# Altium PCB 充电扩展板.PcbDoc
Units mm, origin at the board's own origin, x right, y up, seen from the top; angles counter-clockwise.
Board outline 25 x 26.5 mm, 2 copper layers (Top Layer, Bottom Layer); 21 components, 17 nets, 57 pads, 78 vias.
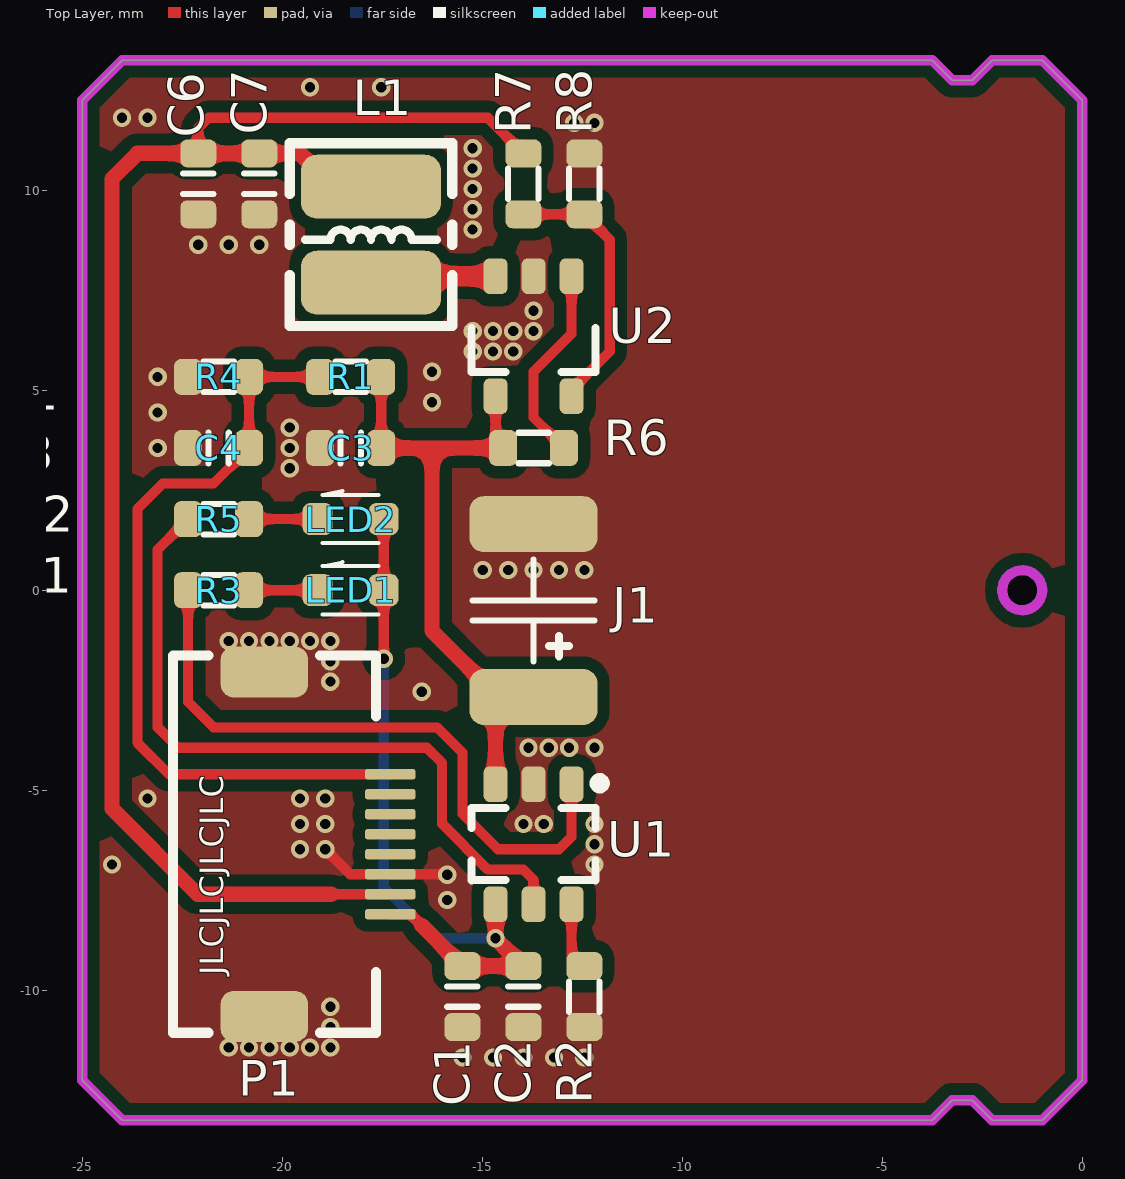
[diagram p0: Top Layer view]
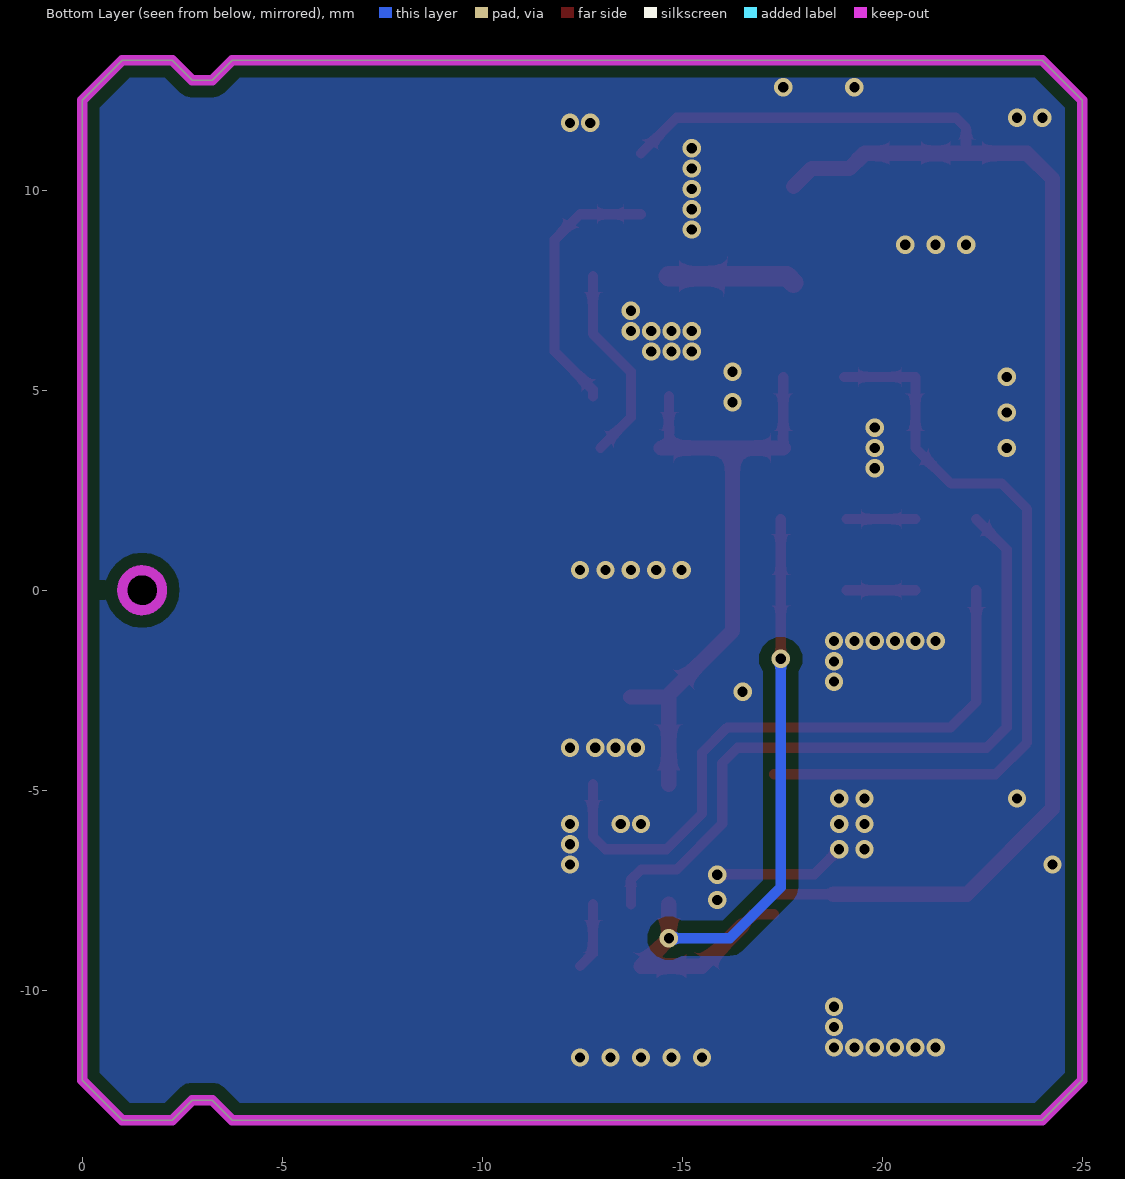
[diagram p1: Bottom Layer view, seen from below]

## Layer stack, top to bottom
Top Solder: solder mask 0.0102, Solder Resist, Dk 3.5
Top Layer: signal copper 0.0356
Dielectric 1: dielectric 0.32, FR-4, Dk 4.8
Bottom Layer: signal copper 0.0356
Bottom Solder: solder mask 0.0102, Solder Resist, Dk 3.5

## Board outline
-24,-13.25 -25,-12.25 -25,12.25 -24,13.25 -3.75,13.25 -3.25,12.75 -2.75,12.75 -2.25,13.25 -1,13.25 0,12.25 0,-12.25 -1,-13.25 -2.25,-13.25 -2.75,-12.75 -3.25,-12.75 -3.75,-13.25
cut-out: -2,0 ccw(c-1.5,0) -1.5,-0.5 ccw(c-1.5,0) -1,0 ccw(c-1.5,0) -1.5,0.5 ccw(c-1.5,0)

## Design rules (kind name [scope] priority, off if disabled: settings)
Clearance poly [InPolygon] p1: gap=0.305 ignorepadtopadclearanceinfootprint=FALSE
Clearance [All] p2: gap=0.203 ignorepadtopadclearanceinfootprint=FALSE
PlaneConnect [All] p1: planeconnectstyle=Direct reliefexpansion=0.508 reliefentries=4 reliefconductorwidth=0.254 reliefairgap=0.254
PolygonConnect [All] p1: connectstyle=Direct reliefconductorwidth=0.254 reliefentries=4 polygonreliefangle="90 Angle" airgapwidth=0.254
RoutingVias [All] p1: holewidth=0.711 width=1.27 viastyle="Through Hole" minholewidth=0.711 minwidth=1.27 maxholewidth=0.711 maxwidth=1.27
SolderMaskExpansion [All] p1: expansion=0.102 istentingtop=FALSE
Width [All] p1: maxlimit=0.762 minlimit=0.203 preferedwidth=0.254
29 further rules are at their usual default settings.

## Components (designator, comment, footprint, x,y, rotation, side; value= is the part's Value field where it differs from the comment)
C1 "10uF" C_0603 -15.494,-10.16 r90 top value=0.1u
C2 "0.1uF" C_0603 -13.97,-10.16 r270 top value=100pF
C3 "0.1uF" C_0603 -18.288,3.556 r180 top value=100pF
C4 "10nF" C_0603 -21.59,3.556 r180 top value=100pF
C6 "10uF" C_0603 -22.098,10.16 r90 top value=0.1u
C7 "0.1uF" C_0603 -20.574,10.16 r270 top value=100pF
J1 "Battery" C_1812 -13.716,-0.508 r90 top
L1 "2.2uH" CD32 -17.78,8.89 r90 top value=10mH
LED1 "RED" "0603/1608 LEDR" -18.288,0 r0 top
LED2 "BLUE" "0603/1608 LEDB" -18.288,1.778 r0 top
P1 "Header 8" FFC_0.5_8 -19.558,-6.35 r270 top
R1 "12K" R_0603 -18.288,5.334 r180 top value=1K
R2 "2K" R_0603 -12.446,-10.16 r270 top value=1K
R3 "1K" R_0603 -21.59,0 r0 top
R4 "3K" R_0603 -21.59,5.334 r180 top value=1K
R5 "1K" R_0603 -21.59,1.778 r0 top
R6 "1K" R_0603 -13.716,3.556 r180 top
R7 "453K" R_0603 -13.97,10.16 r270 top value=1K
R8 "100K" R_0603 -12.446,10.16 r90 top value=1K
U1 "TP4057" SOT23-6-Y -13.716,-6.35 r270 top
U2 "FP6381A" SOT23-5-Y -13.716,6.35 r270 top

## Footprints (in the part's own frame and the unit in brackets; to place one, negate y for a bottom-side part, rotate by r counter-clockwise, add the part's x,y. Pads: shape width x height; smd on the part's side, far side on the other; paste and mask are expansions set on the pad)
"0603/1608 LEDB" [mm]
  rrect50% 0.75x0.8 smd: 1(0.826,0) 2(-0.826,0)
  silkscreen extent -0.7,-0.6 0.7,0.7, body extent -1.21,-0.41 1.21,0.41, height 0.35
"0603/1608 LEDR" [mm]
  rrect50% 0.75x0.8 smd: 1(0.826,0) 2(-0.826,0)
  silkscreen extent -0.7,-0.61 0.7,0.7, body extent -1.21,-0.41 1.21,0.41, height 0.79
C_0603 [mm]
  rrect50% 0.7x0.9 smd: 1(-0.762,0) 2(0.762,0)
  silkscreen extent -0.25,-0.38 0.25,0.38, body extent -0.8,-0.41 0.8,0.41, height 0.81
C_1812 [mm]
  rrect50% 1.4x3.2 smd: 1(-2.159,0) 2(2.159,0)
  silkscreen extent -1.27,-1.52 1.27,1.52
CD32 [mm] "3.5*3*2mm（长宽高）"
  rrect50% 1.6x3.5 smd: 1(-1.2,0) 2(1.2,0)
  silkscreen extent -2.29,-2.03 2.29,2.03, body extent -1.71,-1.5 1.71,1.5, height 2.15
FFC_0.5_8 [mil]
  rrect50% 50x86 smd: 0(-169.5,-35) 0(169.5,-35)
  rrect50% 10x50 smd: 1(-68.9,89) 2(-49.21,89) 3(-29.53,89) 4(-9.84,89) 5(9.84,89) 6(29.53,89) 7(49.21,89) 8(68.9,89)
  silkscreen extent -186,-125 186,75, body extent -187,-124 187,87, height 82
R_0603 [mm]
  rrect50% 0.7x0.9 smd: 1(-0.762,0) 2(0.762,0)
  silkscreen extent -0.38,-0.38 0.38,0.38, body extent -0.8,-0.4 0.8,0.4, height 0.4
SOT23-5-Y [mm] "SOT23, 3-Leads, Body 3.1x3.0mm (max), Pitch 0.95mm, IPC Medium Density"
  rrect50% 0.889x0.6 smd: 1(-1.5,0.95) 2(-1.5,0) 3(-1.5,-0.95) 4(1.5,-0.95) 5(1.5,0.95)
  silkscreen extent -0.2,-1.55 0.9,1.55, body extent -1.4,-1.5 1.4,1.5, height 1.15
SOT23-6-Y [mm] "SOT23, 3-Leads, Body 3.1x3.0mm (max), Pitch 0.95mm, IPC Medium Density"
  rrect50% 0.889x0.6 smd: 1(-1.5,0.95) 2(-1.5,0) 3(-1.5,-0.95) 4(1.5,-0.95) 5(1.5,0) 6(1.5,0.95)
  silkscreen extent -1.65,-1.55 0.9,1.78, body extent -1.4,-1.5 1.4,1.5, height 1.15

## Part data
C1 C6: library part 电容-0402, "Capacitor"
C2 C3 C4 C7: library part Cap, "Capacitor", LatestRevisionDate=17-Jul-2002, LatestRevisionNote="Re-released for DXP Platform.", PackageDescription="Radial Cap, Thru-Hole; 2 Leads; 0.3 in Pin Spacing", PackageReference=RAD-0.3, Published=8-Jun-2000, Publisher="Altium Limited"
J1: library part "Header 2", "Header, 2-Pin", LatestRevisionDate=17-Jul-2002, LatestRevisionNote="Re-released for DXP Platform.", Publisher="Altium Limited"
L1: library part Inductor, "Inductor", Code_IEC=1005, Code_JEITA=0402, LatestRevisionDate=29-May-2009, LatestRevisionNote="IPC-7351 Footprint Added.", PackageDescription="Chip Inductor", PackageReference=0402-A, Published=8-Jun-2000, Publisher="Altium Limited"
LED1 LED2: library part LED0, "Typical INFRARED GaAs LED", LatestRevisionDate=08-Jul-2005, LatestRevisionNote="Mech Layer 1 removed.", PackageDescription="LED; 2 Leads", PackageReference=LED-0, Published=8-Jun-2000, Publisher="Altium Limited"
P1: "Header, 8-Pin", LatestRevisionDate=17-Jul-2002, LatestRevisionNote="Re-released for DXP Platform.", Publisher="Altium Limited"
R1 R2 R3 R4 R5 R6 R7 R8: library part Res2, "Resistor", LatestRevisionDate=17-Jul-2002, LatestRevisionNote="Re-released for DXP Platform.", PackageDescription="Axial Device, Thru-Hole; 2 Leads; 0.4 in Pin Spacing", PackageReference=AXIAL-0.4, Published=8-Jun-2000, Publisher="Altium Limited"
U1: "0.5A锂电池充电芯片"
U2: "DC-DC  1.5MHz  1.2A"

## Via types
v1: diameter 0.457, hole 0.254, Top Layer to Bottom Layer, tented both sides, 78 vias

## Nets (pads, with @x,y where several pads share a name; then routed paths per layer and width w, separated by ;. In a path a pad name is that pad's centre, name@x,y a point inside that pad or via, vN(x,y) a via of type N, cw(c..) or ccw(c..) an arc to the next point about the centre after c; other vN are vias at no path point)
3V3: C6.2 C7.1 L1.2 P1.7 R7.1 | length 39.9
  Top Layer w0.254: C6.2 -22.098,11.557 -21.844,11.811 -14.859,11.811 R7.1 ; -18.776,-7.6 P1.7
  Top Layer w0.381: -18.776,-7.6 -22.118,-7.6 -24.257,-5.461 -24.257,10.287 -23.622,10.922 -22.098,10.922 C7.1 -19.558,10.922 -19.177,10.541 -18.231,10.541 L1.2
4.2V: C3.1 J1.1 R1.1 R6.2 U1.3 U2.4 | length 17.1
  Top Layer w0.254: C3.1 R1.1 ; J1.1@-14.666,-2.728 -14.605,-2.667 J1.1 ; U2.4 -14.666,3.744 R6.2
  Top Layer w0.381: C3.1 -16.256,3.556 ; U1.3 J1.1@-14.666,-2.728 ; R6.2 -14.666,3.556 -16.256,3.556 ; J1.1 -14.605,-2.667 -16.256,-1.016 -16.256,3.556
ADC: C4.1 P1.1 R1.2 R4.1 | length 19.5
  Top Layer w0.254: R1.2 R4.1 C4.1 -21.717,2.667 -22.987,2.667 -23.622,2.032 -23.622,-3.81 -22.832,-4.6 P1.1
C\: R3.1 U1.1 | length 16.2
  Top Layer w0.254: R3.1 -22.352,-2.794 -21.717,-3.429 -16.129,-3.429 -15.494,-4.064 -15.494,-5.588 -14.605,-6.477 -13.081,-6.477 -12.766,-6.162 U1.1
CS0: P1.2
GND: C1.1 C2.2 C3.2 C4.2 C6.1 C7.2 J1.2 P1.0 P1.6 R2.2 R4.2 R8.2 U1.2 U2.2 | length 3.3
  Top Layer w0.254: v1(-18.923,-6.477) -18.3,-7.1 P1.6 -15.887,-7.1 v1(-15.875,-7.112)
  other v1: -15.494,-11.684 -14.732,-11.684 -13.97,-11.684 -13.208,-11.684 -12.446,-11.684 -21.336,-11.43 -20.828,-11.43 -20.32,-11.43 -19.812,-11.43 -19.304,-11.43 -18.796,-11.43 -18.796,-10.922 -18.796,-10.414 -15.875,-7.747 -24.257,-6.858 -12.192,-6.858 -19.558,-6.477 -12.192,-6.35 -19.558,-5.842 -18.923,-5.842 -13.97,-5.842 -13.462,-5.842 -12.192,-5.842 -23.368,-5.207 -19.558,-5.207 -18.923,-5.207 -13.843,-3.937 -13.335,-3.937 -12.827,-3.937 -12.192,-3.937 -16.51,-2.54 -18.796,-2.286 -18.796,-1.778 -21.336,-1.27 -20.828,-1.27 -20.32,-1.27 -19.812,-1.27 -19.304,-1.27 -18.796,-1.27 -14.986,0.508 -14.351,0.508 -13.716,0.508 -13.081,0.508 -12.446,0.508 -19.812,3.048 -23.114,3.556 -19.812,3.556 -19.812,4.064 -23.114,4.445 -16.256,4.699 -23.114,5.334 -16.256,5.461 -15.24,5.969 -14.732,5.969 -14.224,5.969 -15.24,6.477 -14.732,6.477 -14.224,6.477 -13.716,6.477 -13.716,6.985 -22.098,8.636 -21.336,8.636 -20.574,8.636 -15.24,9.017 -15.24,9.525 -15.24,10.033 -15.24,10.541 -15.24,11.049 -12.7,11.684 -12.192,11.684 -24.003,11.811 -23.368,11.811 -19.304,12.573 -17.526,12.573
MISO0: P1.3
MOSI0: P1.4
NetL1_1: L1.1 U2.3 | length 3.2
  Top Layer w0.508: L1.1 -17.62,7.85 U2.3
NetLED1_2: LED1.2 R3.2 | length 1.7
  Top Layer w0.254: R3.2 LED1.2
NetLED2_2: LED2.2 R5.2 | length 1.7
  Top Layer w0.254: R5.2 LED2.2
NetR2_1: R2.1 U1.6 | length 1.7
  Top Layer w0.254: U1.6 -12.766,-9.078 R2.1
NetR6_1: R6.1 U2.1 | length 5
  Top Layer w0.254: R6.1 -13.716,4.318 -13.716,5.461 -12.766,6.411 U2.1
NetR7_2: R7.2 R8.1 U2.5 | length 6.7
  Top Layer w0.254: R7.2 R8.1 -11.811,8.763 -11.811,5.969 -12.766,5.014 U2.5
S\: R5.1 U1.5 | length 18
  Top Layer w0.254: R5.1 -23.114,1.016 -23.114,-3.429 -22.606,-3.937 -16.383,-3.937 -16.002,-4.318 -16.002,-5.842 -14.859,-6.985 -13.97,-6.985 -13.716,-7.239 U1.5
SCLK0: P1.5
VDD_5V: C1.2 C2.1 LED1.1 LED2.1 P1.8 U1.4 | length 18.2
  Top Layer w0.254: v1(-17.462,-1.714) LED1.1 LED2.1 ; P1.8 -16.792,-8.1 -16.51,-8.382
  Top Layer w0.381: -16.51,-8.382 C1.2 -13.97,-9.398 v1(-14.666,-8.702) U1.4
  Bottom Layer w0.254: v1(-17.462,-1.714) -17.462,-7.429 -16.19,-8.702 v1(-14.666,-8.702)

## Polygon pours and split planes (outlines as drawn)
GND on Top Layer "GND_L01_P000" (solid, remove dead copper, pour order 0): -25,14 0,14 0,-14 -25,-14
GND on Bottom Layer "GND_L02_P001" (solid, remove dead copper, pour order 1): -25,14 0,14 0,-14 -25,-14

## Keep-outs
Keep-Out Layer:
  circle w0.254: c-1.5,0 r0.5
  lines w0.254: -25,-12.25 -25,12.25 -24,13.25 -3.75,13.25 -3.25,12.75 -2.75,12.75 -2.25,13.25 -1,13.25 0,12.25 0,-12.25 -1,-13.25 -2.25,-13.25 -2.75,-12.75 -3.25,-12.75 -3.75,-13.25 -24,-13.25 -25,-12.25

## Silkscreen, mask and mechanical layers (free items; w line width, h text height)
Top Overlay:
  lines w0.203: -13.335,-1.397 -12.827,-1.397 ; -13.081,-1.651 -13.081,-1.143
  text "JLCJLCJLCJLC" at -21.27,-9.629 h1 r90
Top Solder:
  drawing of 670 lines, arcs and shapes, not listed
  text "SD²" at -6.463,6.66 h5.08 r90
  text "V1.0" at -8.926,3.944 h1.27 r90
  text "BATTERY" at -10.803,-2.375 h1.27 r90
  text "PCB Designed by Chu Xin" at -4.69,-5.21 h2.41 r90
  text "充电扩展板" at -6.372,-5.533 h2.29 r90
Mechanical 1:
  circle w0.254: c-1.5,0 r0.5
  lines w0.254: -27.008,-11.726 -26.5,-13.25 ; -27.008,12.226 -26.5,13.75 ; -26.754,-13.25 -26.246,-13.25 ; -26.754,13.75 -26.246,13.75 ; -26.5,-2.498 -26.5,-13.25 ; -26.5,2.998 -26.5,13.75 ; -25.992,-11.726 -26.5,-13.25 ; -25.992,12.226 -26.5,13.75 ; -25,-14.504 -25,-13.996 ; -23.476,-14.758 -25,-14.25 ; -23.476,-13.742 -25,-14.25 ; -15.248,-14.25 -25,-14.25 ; -9.752,-14.25 0,-14.25 ; -1.524,-14.758 0,-14.25 ; -1.524,-13.742 0,-14.25 ; 0,-14.504 0,-13.996 ; -25,-12.25 -24,-13.25 -3.75,-13.25 -3.25,-12.75 -2.75,-12.75 -2.25,-13.25 -1,-13.25 0,-12.25 0,12.25 -1,13.25 -2.25,13.25 -2.75,12.75 -3.25,12.75 -3.75,13.25 -24,13.25 -25,12.25 -25,-12.25
  text "27 (mm)" at -25.86,-2.244 h1.52 r90
  text "25 (mm)" at -14.994,-14.89 h1.52